# KiCad board g0dzilla_vs_middle.kicad_pcb
title: G0dzilla_VS; date: 2024-06-20; rev: 1; company: Crafted by @alt_bier a.k.a. Richard Gowen and his Badge Team; note: Middle PCB 2 of 3
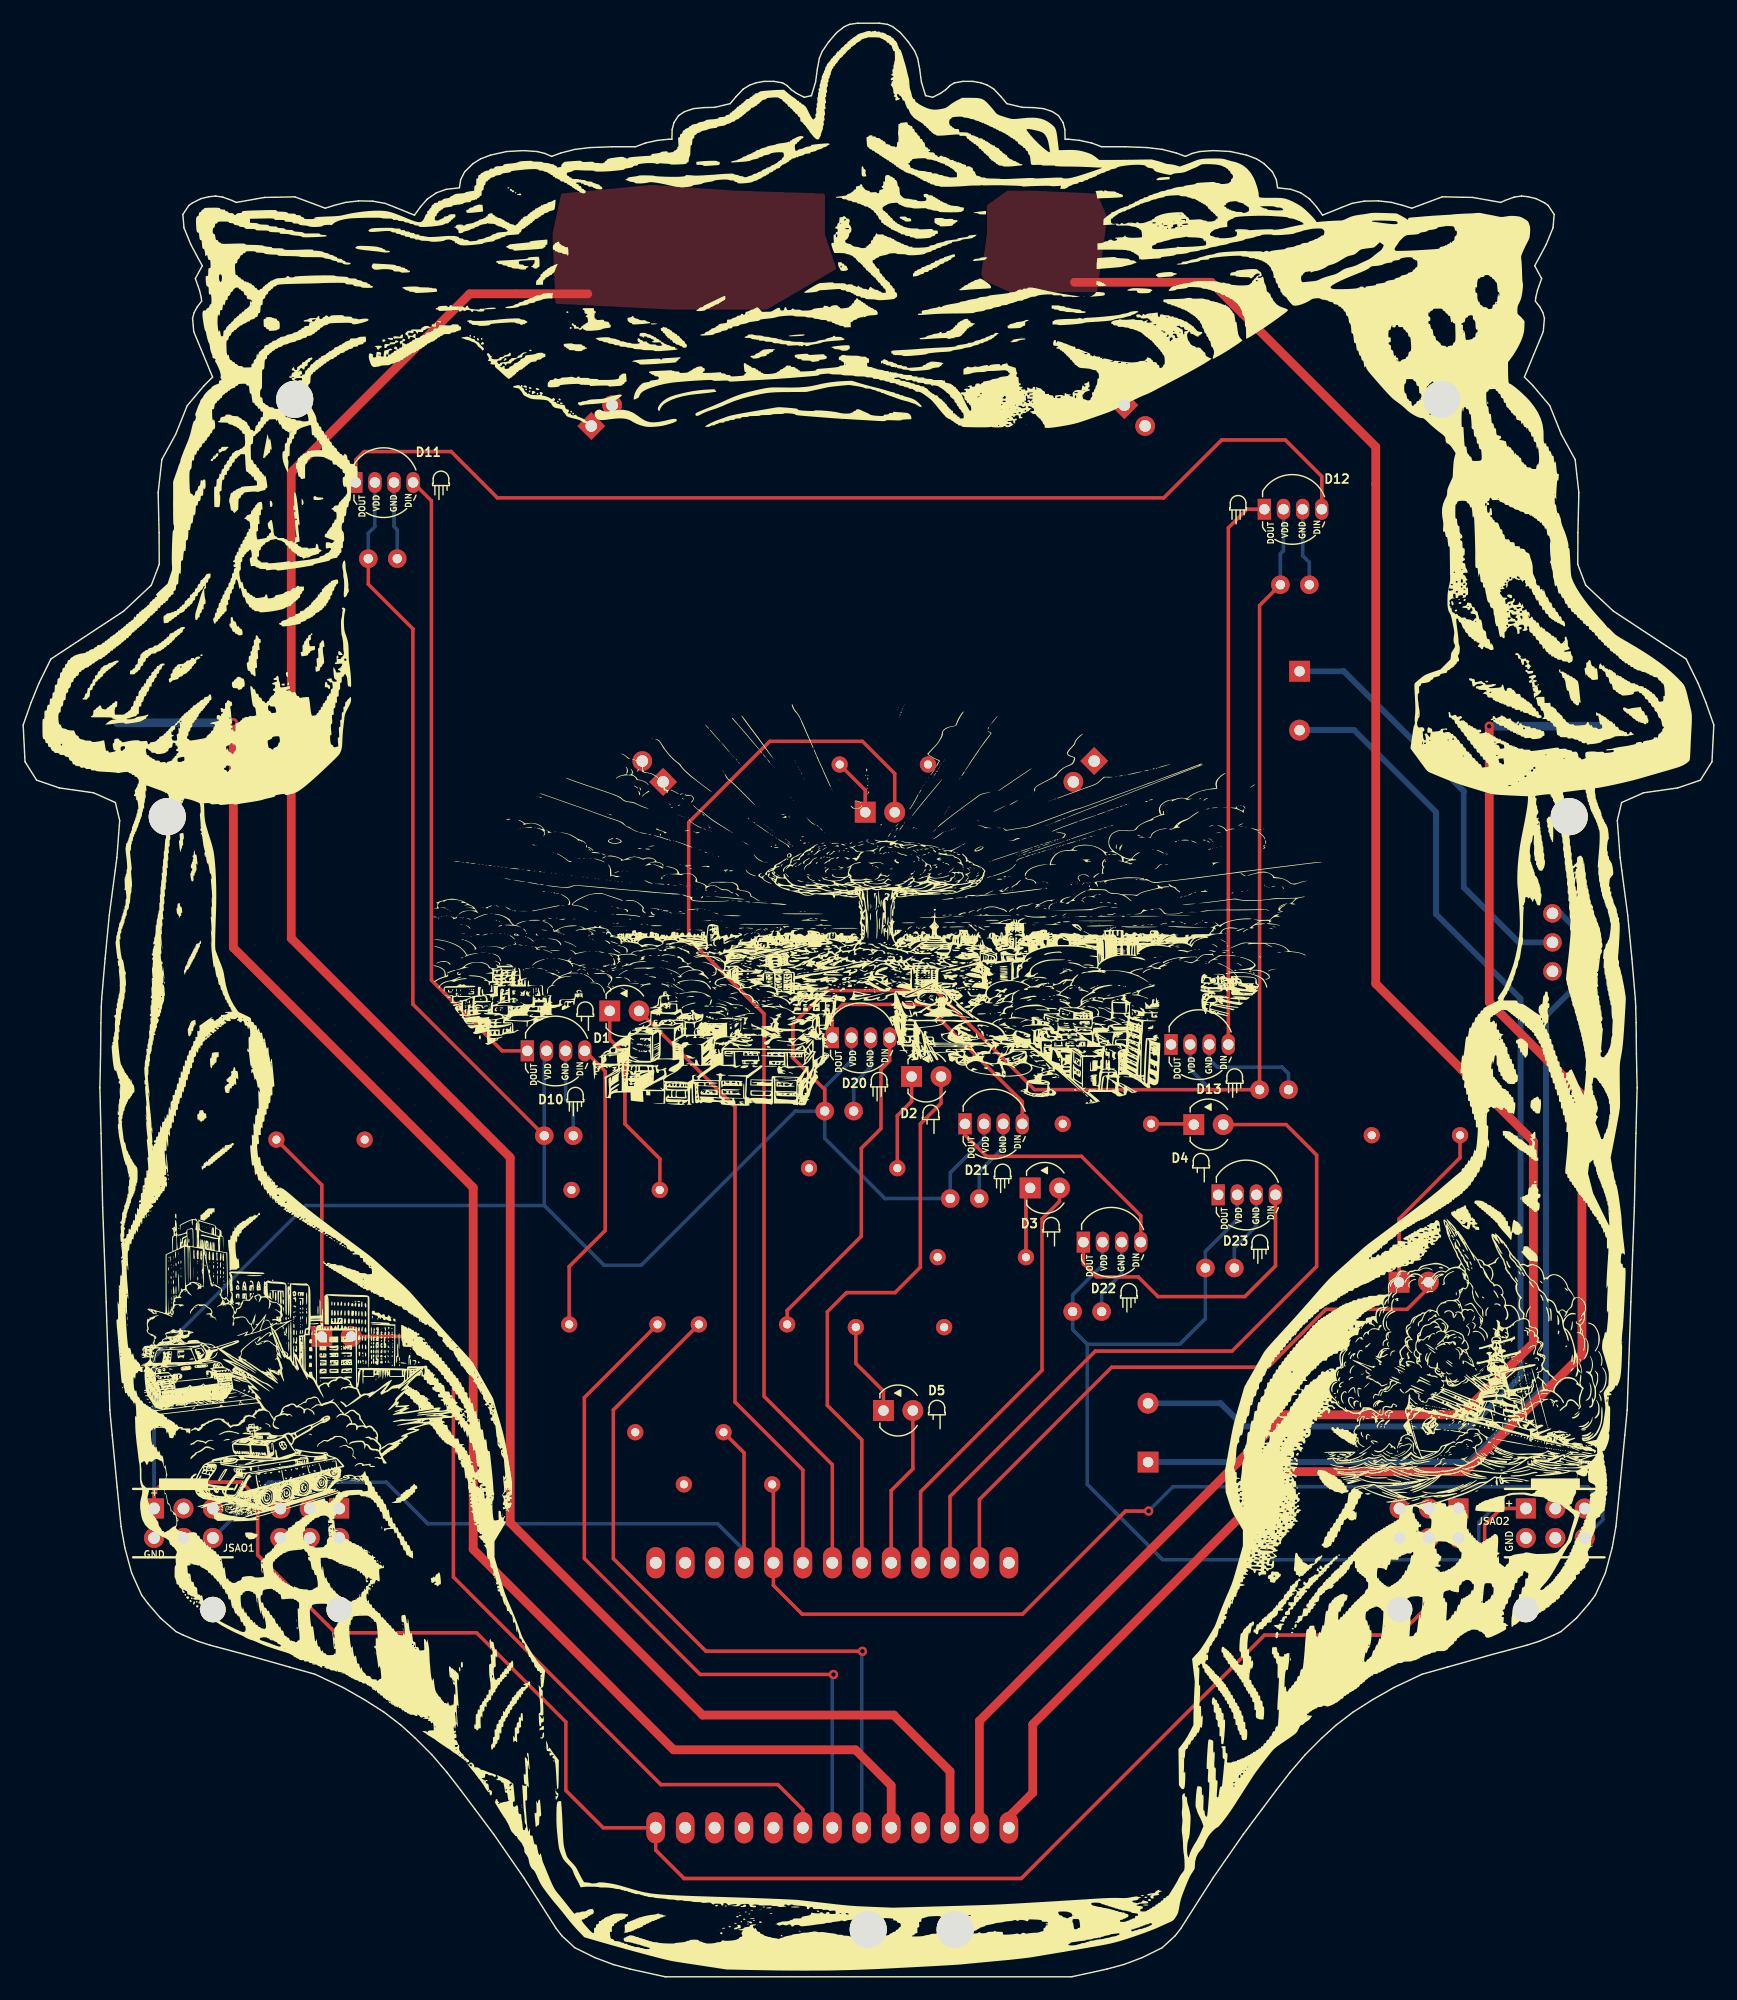
[diagram p0: board, top side]
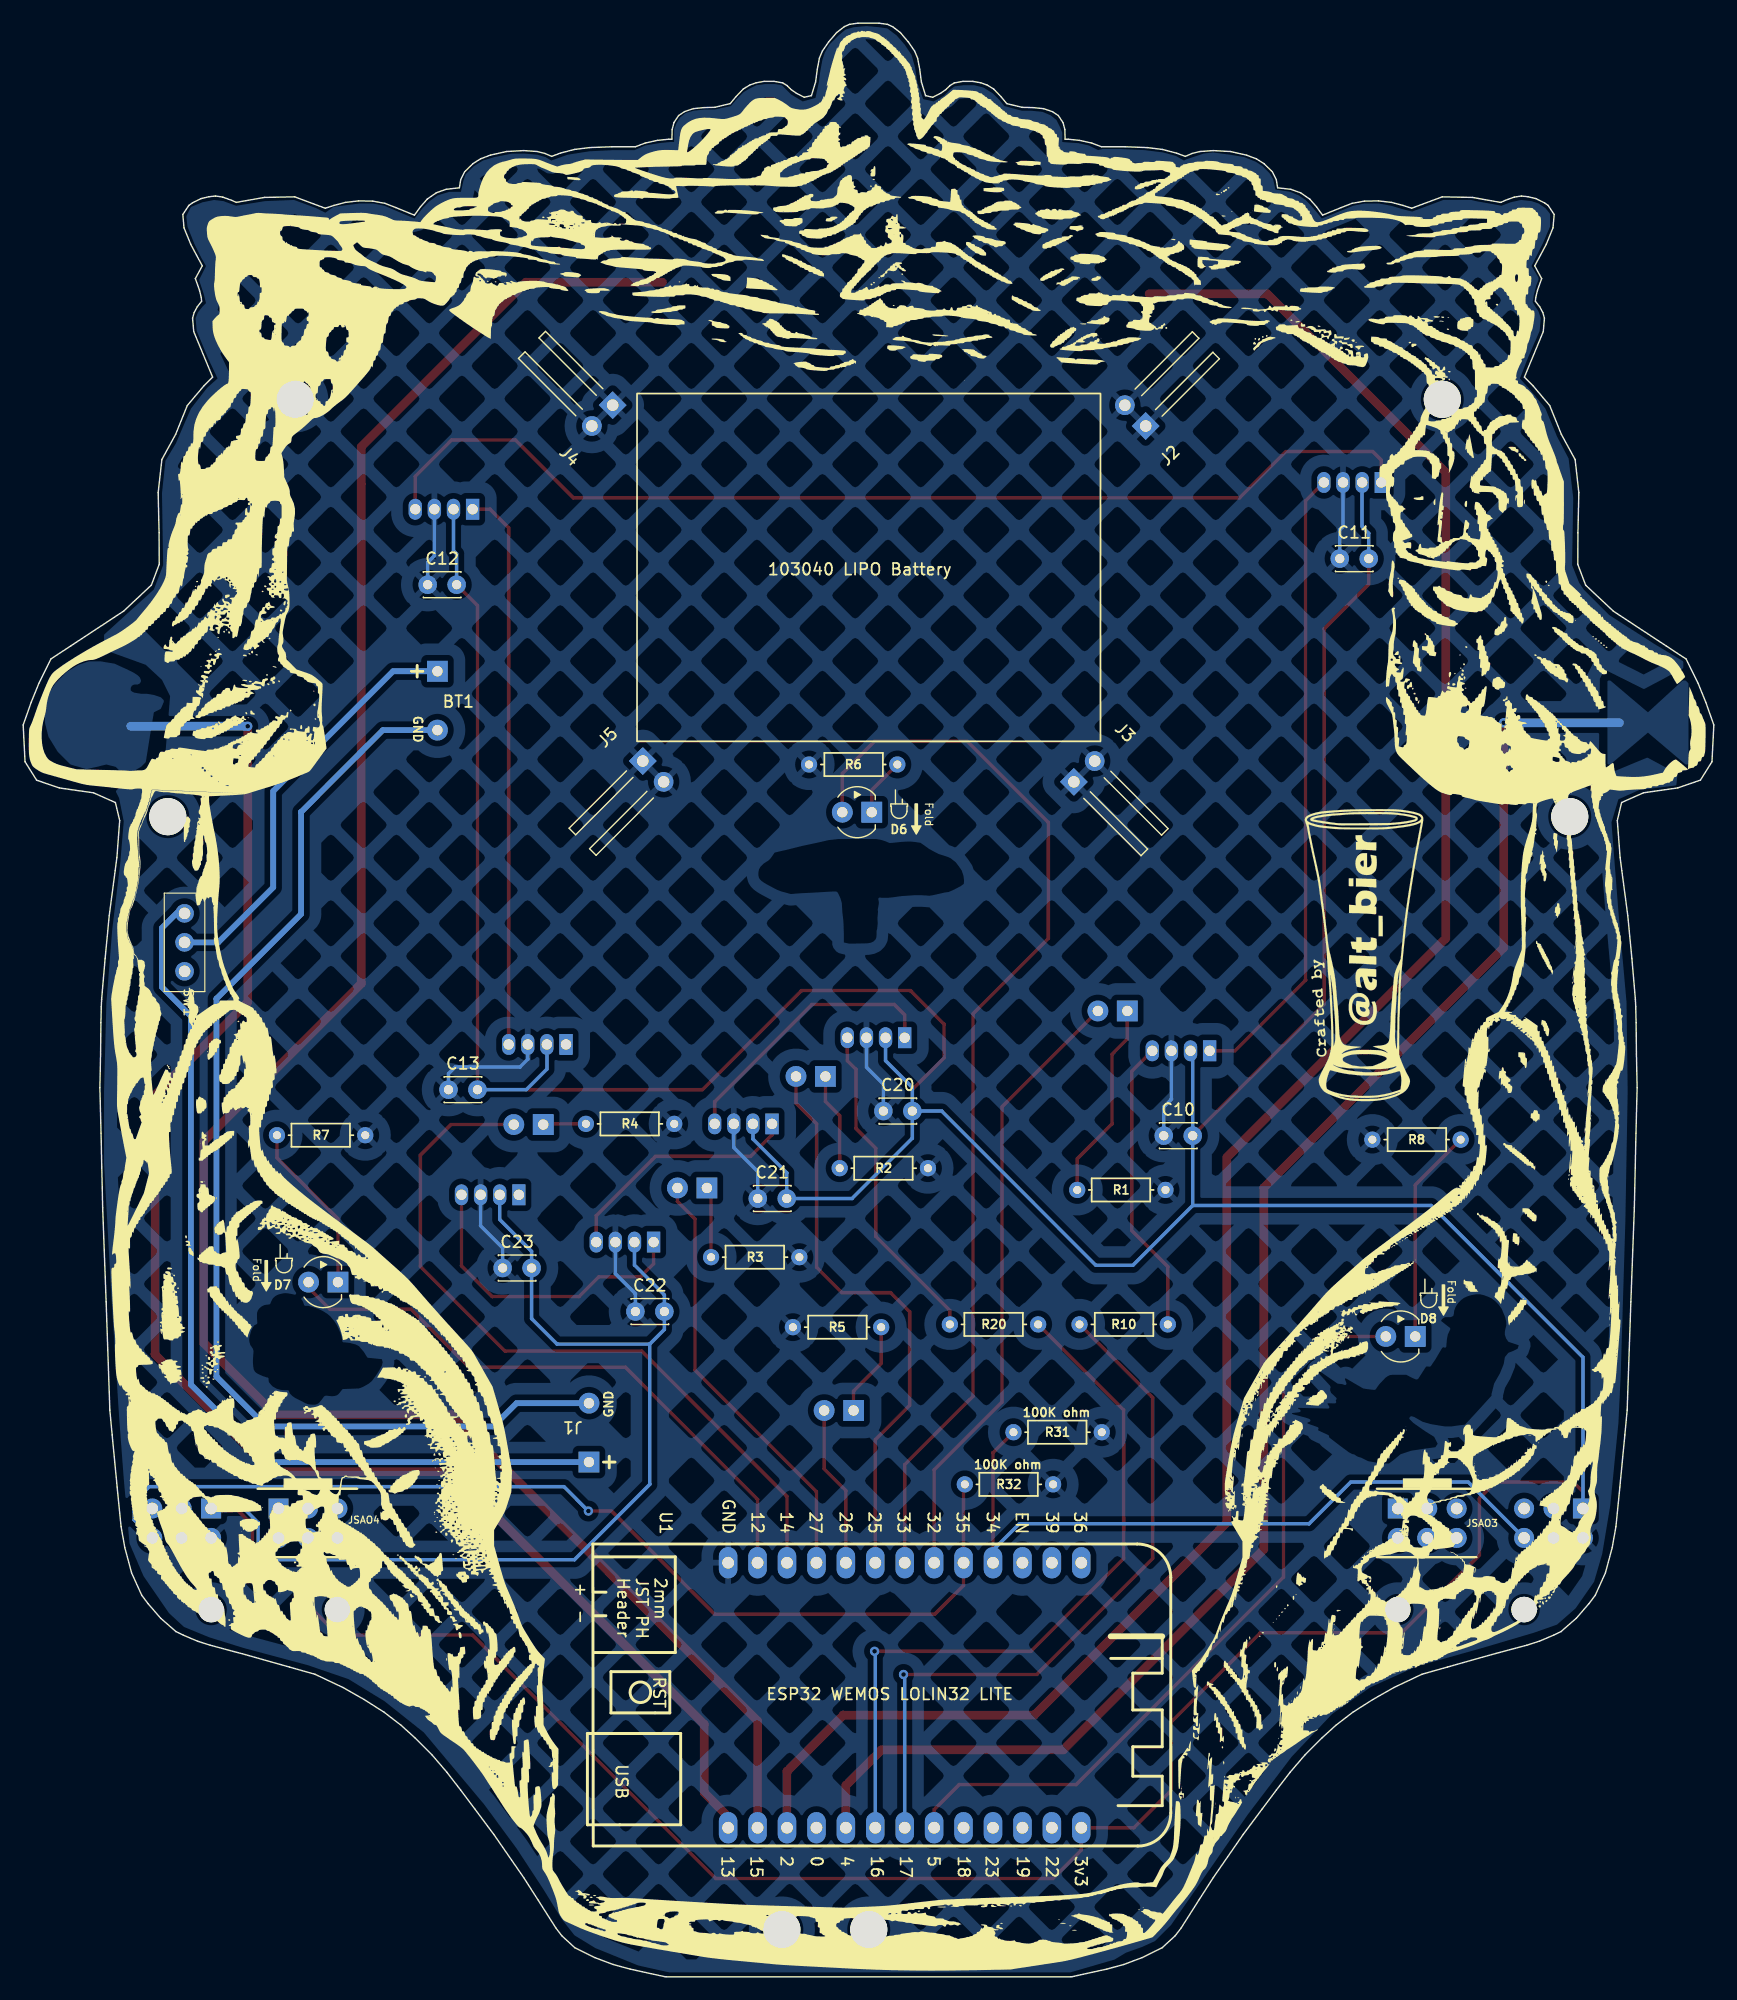
[diagram p1: board, bottom side, seen from below]

Outline 145.92 x 168.53 mm; copper layers: Top, Bottom. Coordinates in mm from the lower left corner of the outline.
Stack: Top 0.035mm / dielectric 1.51mm FR4 er 4.5 / Bottom 0.035mm

## Placement (name value [footprint] x y rotation side)
BT1  Battery_Lipo  [Battery_Connector_back]  110.16 112.63 0 top
C10  C_Disc_D3  [C_Disc_D3_back]  44.98 72.56 0 top
C11  C_Disc_D3  [C_Disc_D3_back]  29.79 122.34 0 top
C12  C_Disc_D3  [C_Disc_D3_back]  108.51 120.09 0 top
C13  C_Disc_D3  [C_Disc_D3_back]  106.71 76.53 0 top
C20  C_Disc_D3  [C_Disc_D3_back]  69.18 74.69 0 top
C21  C_Disc_D3  [C_Disc_D3_back]  80.01 67.14 0 top
C22  C_Disc_D3  [C_Disc_D3_back]  90.58 57.39 0 top
C23  C_Disc_D3  [C_Disc_D3_back]  102.03 61.15 0 top
D1  LED_3mm  [LED_D3.0mm-2-std_front]  50.62 83.32 0 top
D2  LED_3mm  [LED_D3.0mm-2-std_front]  76.68 77.67 0 top
D3  LED_3mm  [LED_D3.0mm-2-std_front]  86.91 68.05 0 top
D4  LED_3mm  [LED_D3.0mm-2-std_front]  101.03 73.52 0 top
D5  LED_3mm  [LED_D3.0mm-2-std_front]  74.25 48.85 0 top
D6  LED_3mm  [LED_D3.0mm-2-std_back]  72.68 100.47 0 top
D7  LED_3mm  [LED_D3.0mm-2-std_back]  118.75 59.93 0 top
D8  LED_3mm  [LED_D3.0mm-2-std_back]  25.77 55.24 0 top
D10  LED_WS2812D_5mm  [LED_D5.0mm-4_WS2812D_2024_front]  44.02 79.88 0 top
D11  LED_WS2812D_5mm  [LED_D5.0mm-4_WS2812D_2024_front]  29.21 128.91 0 top
D12  LED_WS2812D_5mm  [LED_D5.0mm-4_WS2812D_2024_front]  107.63 126.6 0 top
D13  LED_WS2812D_5mm  [LED_D5.0mm-4_WS2812D_2024_front]  99.57 80.43 0 top
D20  LED_WS2812D_5mm  [LED_D5.0mm-4_WS2812D_2024_front]  70.34 81.01 0 top
D21  LED_WS2812D_5mm  [LED_D5.0mm-4_WS2812D_2024_front]  81.79 73.58 0 top
D22  LED_WS2812D_5mm  [LED_D5.0mm-4_WS2812D_2024_front]  92.01 63.38 0 top
D23  LED_WS2812D_5mm  [LED_D5.0mm-4_WS2812D_2024_front]  103.64 67.46 0 top
edgecuts_02_mid  Edge Cuts  [g0dzilla_vs_edgecuts_02]  70.44 85.08 0 top
Fold  LED_Fold_Indicator_1  [LED_Fold_Indicator_back]  124.94 60.38 90 top
Fold#2  LED_Fold_Indicator_1  [LED_Fold_Indicator_back]  68.84 99.78 90 top
Fold#3  LED_Fold_Indicator_1  [LED_Fold_Indicator_back]  23.34 58.28 90 top
G***  LOGO  [logo-alt_bier-900dpi-10x25mm-back]  30.14 88.08 0 top
J1  Battery_Conn  [Battery_Connector_back]  97.08 44.4 180 top
J2  01x02  [Conn_Pin_Header_Male_Horiz_Back_1x02_Pitch2.54mm]  49.04 133.78 135 top
J3  01x02  [Conn_Pin_Header_Male_Horiz_Back_1x02_Pitch2.54mm]  55.23 103.08 225 top
J4  01x02  [Conn_Pin_Header_Male_Horiz_Back_1x02_Pitch2.54mm]  95.04 135.58 45 top
J5  01x02  [Conn_Pin_Header_Male_Horiz_Back_1x02_Pitch2.54mm]  92.44 104.88 315 top
JSAO1  Conn_02x03_SAO  [SAOv169-BADGEv3-PO-minF-2x3]  13.79 39.14 0 top
JSAO2  Conn_02x03_SAO  [SAOv169-BADGEv3-PO-minF-2x3]  132.19 39.14 0 top
JSAO3  Conn_02x03_SAO  [SAOv169-BADGEv3-PO-minB-2x3]  24.79 39.15 0 top
JSAO4  Conn_02x03_SAO  [SAOv169-BADGEv3-PO-minB-2x3]  121.39 39.15 0 top
mask_back_middle  Back Mask  [g0dzilla_vs_middle_mask_b]  70.44 85.08 0 top
mask_front_middle  Front Mask  [g0dzilla_vs_middle_mask_f]  70.44 85.08 0 top
Mount01  -  [MountingHole_3.2mm_M3]  12.44 100.08 0 top
Mount02  -  [MountingHole_3.2mm_M3]  133.44 100.08 0 top
Mount03  -  [MountingHole_3.2mm_M3]  72.94 4.08 0 top
Mount04  -  [MountingHole_3.2mm_M3]  23.44 136.08 0 top
Mount05  -  [MountingHole_3.2mm_M3]  122.44 136.08 0 top
Mount06  -  [MountingHole_3.2mm_M3]  80.44 4.08 0 top
R1  47R_6.3mm  [R_Axial_DIN0207_L6.3_D2.5_P7.62_Horiz_back]  54.95 67.88 180 top
R2  47R_6.3mm  [R_Axial_DIN0207_L6.3_D2.5_P7.62_Horiz_back]  75.45 69.76 180 top
R3  47R_6.3mm  [R_Axial_DIN0207_L6.3_D2.5_P7.62_Horiz_back]  86.55 62.08 180 top
R4  47R_6.3mm  [R_Axial_DIN0207_L6.3_D2.5_P7.62_Horiz_back]  97.35 73.58 180 top
R5  47R_6.3mm  [R_Axial_DIN0207_L6.3_D2.5_P7.62_Horiz_back]  71.86 56.04 0 top
R6  47R_6.3mm  [R_Axial_DIN0207_L6.3_D2.5_P7.62_Horiz_back]  70.47 104.58 0 top
R7  47R_6.3mm  [R_Axial_DIN0207_L6.3_D2.5_P7.62_Horiz_back]  124.01 72.6 180 top
R8  47R_6.3mm  [R_Axial_DIN0207_L6.3_D2.5_P7.62_Horiz_back]  21.85 72.22 0 top
R10  47R_6.3mm  [R_Axial_DIN0207_L6.3_D2.5_P7.62_Horiz_back]  47.13 56.28 0 top
R20  47R_6.3mm  [R_Axial_DIN0207_L6.3_D2.5_P7.62_Horiz_back]  65.94 56.28 180 top
R31  100K_6.3mm  [R_Axial_DIN0207_L6.3_D2.5_P7.62_Horiz_back]  60.45 46.98 180 top
R32  100K_6.3mm  [R_Axial_DIN0207_L6.3_D2.5_P7.62_Horiz_back]  64.65 42.48 180 top
REF**  -  [LED_4Pin_Indicator]  104.54 77.28 0 top
REF**#2  LED_2Pin_Indicator  [LED_2Pin_Indicator_Right]  78.84 48.68 0 top
REF**#3  -  [LED_4Pin_Indicator]  104.83 126.74 0 top
REF**#4  LED_2Pin_Indicator  [LED_2Pin_Indicator_Right]  48.49 83.05 0 top
REF**#5  -  [LED_4Pin_Indicator]  95.41 58.76 0 top
REF**#6  -  [LED_2Pin_Indicator_back]  70.34 100.98 180 top
REF**#7  -  [LED_2Pin_Indicator_back]  123.44 61.78 180 top
REF**#8  -  [Battery_LIPO_103040_silk_back]  72.94 121.58 270 top
REF**#9  -  [LED_4Pin_Indicator]  73.85 76.97 0 top
REF**#10  LED_2Pin_Indicator  [LED_2Pin_Indicator_Right]  88.71 64.46 0 top
REF**#11  -  [LED_4Pin_Indicator]  36.04 128.84 0 top
REF**#12  LED_2Pin_Indicator  [LED_2Pin_Indicator_Right]  78.31 74.16 0 top
REF**#13  -  [LED_2Pin_Indicator_back]  24.64 58.78 180 top
REF**#14  -  [LED_4Pin_Indicator]  47.64 75.68 0 top
REF**#15  -  [LED_4Pin_Indicator]  106.71 62.96 0 top
REF**#16  -  [LED_4Pin_Indicator]  84.51 69.06 0 top
REF**#17  LED_2Pin_Indicator  [LED_2Pin_Indicator_Right]  101.64 69.98 0 top
reference  Reference  [g0dzilla_vs_middle_reference]  70.44 85.08 0 top
sao_reference  Reference SAO  [g0dzilla_vs_sao_reference]  72.59 85.13 0 top
saoclip1  -  [MountingHole_2.2mm_M2]  16.38 31.68 0 top
saoclip2  -  [MountingHole_2.2mm_M2]  129.7 31.68 0 top
saoclip3  -  [MountingHole_2.2mm_M2]  27.28 31.68 0 top
saoclip4  -  [MountingHole_2.2mm_M2]  118.8 31.68 0 top
silk_back_middle  Back Silk  [g0dzilla_vs_middle_silk_b]  70.44 85.08 0 top
silk_front_center_middle  Front Silk  [g0dzilla_vs_middle_centermod_silk_f]  70.44 85.08 0 top
silk_front_middle  Front Silk  [g0dzilla_vs_middle_silk_f]  70.44 85.08 0 top
SW1  SW_SPDT_SS12D00G  [SW_SPDT_Slide_SS12D00G-1P2T_3pin_back]  131.99 89.24 270 top
U1  ESP32-WEMOS-LOLIN32-LITE  [ESP32_WEMOS_LOLIN32_LITE_back]  71.12 24.14 90 top

## Library data of the parts
BT1 = -: Description: Multiple-cell battery
C10-C13 C20-C23 = -: Description: Unpolarized capacitor
D1-D8 = -: Description: Light emitting diode; Color: White
D10-D13 D20-D23 = -: Description: RGB LED with integrated controller, 5mm LED package
J1 = -: Description: Baterry Connector 01x02
J2-J5 = -: Description: Generic connector, single row, 01x02, script generated (kicad-library-utils/schlib/autogen/connector/)
JSAO1 JSAO2 = -: Description: Generic connector, double row, 02x03, odd/even pin numbering scheme (row 1 odd numbers, row 2 even numbers), script generated (kicad-library-utils/schlib/autogen/connector/)
JSAO3 JSAO4 = -: Description: Generic connector, double row, 02x03, odd/even pin numbering scheme (row 1 odd numbers, row 2 even numbers), script generated (kicad-library-utils/schlib/autogen/connector/); Field4: +; Field5: GND
R1-R8 R10 R20 R31 R32 = -: Description: Resistor
SW1 = -: Description: Switch, single pole double throw
U1 = -: Description: RF Module, ESP32-D0WDQ6 SoC, Wi-Fi 802.11b/g/n, Bluetooth, BLE, 32-bit, 2.7-3.6V, onboard antenna, Wemos, Lolin, Lolin32

## Footprints (pads in the part's own frame, mm; a bottom-side part is the same pattern mirrored in y, then rotated)
Battery_Connector_back
  rect 1.8x1.8 hole 0.9: 1(0,0)
  round 1.8 hole 0.9: 2(0,-5.08)
C_Disc_D3_back
  round 1.6 hole 0.8: 1(0,0) 2(2.5,0)
Conn_Pin_Header_Male_Horiz_Back_1x02_Pitch2.54mm
  rect 1.7x1.7 hole 1: 1(0,0)
  oval 1.7x1.7 hole 1: 2(0,-2.54)
ESP32_WEMOS_LOLIN32_LITE_back
  oval 2.7x1.6 hole 1.02: 0(-11.274,-6.336) 2(-11.274,-8.876) 3V3(-11.274,16.524) 4(-11.274,-3.796) 5(-11.274,3.824) 12(11.586,-11.416) 13(-11.274,-13.956) 14(11.586,-8.876) 15(-11.274,-11.416) 16(-11.274,-1.256) 17(-11.274,1.284) 18(-11.274,6.364) 19(-11.274,11.444) 22(-11.274,13.984) 23(-11.274,8.904) 25(11.586,-1.256) 26(11.586,-3.796) 27(11.586,-6.336) 32(11.586,3.824) 33(11.586,1.284) 34(11.586,8.904) 35(11.586,6.364) 36(11.586,16.524) 39(11.586,13.984) EN(11.586,11.444) GND(11.586,-13.956)
LED_D3.0mm-2-std_back
  rect 1.8x1.8 hole 0.9: 1(0,0)
  round 1.8 hole 0.9: 2(2.54,0)
LED_D3.0mm-2-std_front
  rect 1.8x1.8 hole 0.9: 1(0,0)
  round 1.8 hole 0.9: 2(2.54,0)
LED_D5.0mm-4_WS2812D_2024_front
  rect 1.15x1.8 hole 0.9: 1(-0.5,0)
  oval 1.15x1.8 hole 0.9: 2(1.15,0) 3(2.8,0) 4(4.45,0)
MountingHole_2.2mm_M2
  round 2.2 hole 2.2 unplated: (0,0)
MountingHole_3.2mm_M3
  round 3.2 hole 3.2 unplated: (0,0)
R_Axial_DIN0207_L6.3_D2.5_P7.62_Horiz_back
  round 1.4 hole 0.7: 1(0,0) 2(7.62,0)
SAOv169-BADGEv3-PO-minB-2x3
  rect 1.727x1.727 hole 1.016: 1(2.49,1.25)
  round 1.727 hole 1.016: 2(2.49,-1.29) 5(-2.59,1.25) 6(-2.59,-1.29)
  oval 1.727x1.727 hole 1.016: 3(-0.05,1.25) 4(-0.05,-1.29)
SAOv169-BADGEv3-PO-minF-2x3
  rect 1.727x1.727 hole 1.016: 1(-2.49,1.26)
  round 1.727 hole 1.016: 2(-2.49,-1.28) 5(2.59,1.26) 6(2.59,-1.28)
  oval 1.727x1.727 hole 1.016: 3(0.05,1.26) 4(0.05,-1.28)
SW_SPDT_Slide_SS12D00G-1P2T_3pin_back
  round 1.6 hole 1: 1(-2.5,0) 2(0,0) 3(2.5,0)

## Nets
+3.3V: C10.1 C11.1 C12.1 C13.1 C20.1 C21.1 C22.1 C23.1 D10.2 D11.2 D12.2 D13.2 D20.2 D21.2 D22.2 D23.2 JSAO1.1 JSAO2.1 U1.3V3
GND: C10.2 C11.2 C12.2 C13.2 C20.2 C21.2 C22.2 C23.2 D10.3 D11.3 D12.3 D13.3 D20.3 D21.3 D22.3 D23.3 J2.1 J2.2 J3.1 J3.2 J4.1 J4.2 J5.1 J5.2 JSAO1.2 JSAO2.2 R1.2 R2.2 R3.2 R4.2 R5.2 R6.2 R7.2 R8.2 R31.2 R32.2 U1.GND
VBAT: J1.1 SW1.1
2: U1.2
4: U1.4
5: D8.2 U1.5
12: D7.2 U1.12
13: U1.13
14: D4.2 U1.14
15: U1.15
16: R20.2 U1.16
17: R10.2 U1.17
25: D2.2 U1.25
26: D5.2 U1.26
27: D3.2 U1.27
32: D1.2 U1.32
33: D6.2 U1.33
34: JSAO1.6 R31.1 U1.34
35: JSAO2.6 R32.1 U1.35
D10: D10.1 D11.4
D11: D11.1 D12.4
D12: D12.1 D13.4
D20: D20.1 D21.4
D21: D21.1 D22.4
D22: D22.1 D23.4
GBAT: BT1.2 J1.2
Net-(BT1-Pin_1): BT1.1 SW1.2
Net-(D1-K): D1.1 R1.1
Net-(D2-K): D2.1 R2.1
Net-(D3-K): D3.1 R3.1
Net-(D4-K): D4.1 R4.1
Net-(D5-K): D5.1 R5.1
Net-(D6-K): D6.1 R6.1
Net-(D7-K): D7.1 R7.1
Net-(D8-K): D8.1 R8.1
Net-(D10-DIN): D10.4 R10.1
Net-(D20-DIN): D20.4 R20.1

Pads without a net: D13 1; D23 1; JSAO1 3 4 5; JSAO2 3 4 5; JSAO3 1 2 3 4 5 6; JSAO4 1 2 3 4 5 6; SW1 3; U1 0 18 19 22 23 36 39 EN

## Via types
v1: diameter 0.8, hole 0.4, Top to Bottom, 5 vias

## Routing (per net, layer and track width the routed paths; a pad name or vN(x,y) marks a point on that pad's centre or on a via; arc(x,y) is an arc through that point)
+3.3V: length 549.3
  Top w0.3: C10.1 33.64,83.9 33.64,116.28 29.79,120.13 C11.1 ; JSAO2.1 127.56,40.4 126.14,38.98 126.14,36.88 118.74,29.48 107.14,29.48 86.14,8.48 57.04,8.48 54.59,10.92 U1.3V3 50.05,12.86 46.84,16.08 46.84,21.98 39.14,29.68 26.94,29.68 20.24,36.38 20.24,41.28 18.84,42.68 12.14,42.68 11.3,41.84 JSAO1.1 ; C12.1 106.71,118.29 C13.1 87.29,76.53 78.74,85.08 69.34,85.08 66.44,82.18 66.44,79.28 69.18,76.54 C20.1
  Bottom w0.3: 44.98,66.54 50.14,61.38 53.34,61.38 66.64,74.69 C20.1 ; 44.98,66.54 24.4,66.54 11.3,53.44 JSAO1.1 ; 44.98,66.54 C10.1 44.98,79.69 D10.2 ; 91.84,54.58 91.84,42.48 98.34,35.98 124.64,35.98 125.64,36.98 125.64,39.18 126.86,40.4 JSAO2.1 ; 91.84,54.58 90.58,55.84 C22.1 90.58,58.82 93.16,61.4 D22.2 ; 91.84,54.58 99.84,54.58 102.03,56.78 C23.1 102.03,62.58 104.79,65.33 D23.2 ; C13.1 102.49,76.53 100.72,78.3 D13.2 ; D21.2 82.94,72.28 80.01,69.36 C21.1 74.37,67.14 69.18,72.34 C20.1 ; C20.1 69.18,76.72 71.49,79.03 D20.2 ; C12.1 108.51,122.75 108.78,123.02 D12.2 ; C11.1 29.79,124.53 30.36,125.1 D11.2
GND: length 59.1
  Bottom w0.3: D23.3 106.44,64.78 104.53,62.88 C23.2 ; C20.2 71.68,77.02 73.14,78.48 D20.3 ; C21.2 82.51,69.46 84.59,71.53 D21.3 ; D12.3 110.43,122.59 111.01,122.01 C12.2 ; D13.3 102.37,79.15 103.04,78.48 108.64,78.48 109.21,77.91 C13.2 ; C11.2 32.29,124.83 32.01,125.11 D11.3 ; C10.2 47.48,75.04 46.82,75.7 D10.3 ; D22.3 94.81,60.65 93.08,58.92 C22.2
VBAT: length 80
  Bottom w0.5: SW1.1 132.68,91.74 133.94,90.48 133.94,85.38 131.44,82.88 131.44,51.08 124.76,44.4 J1.1
2: length 182.1
  Top w0.75: 48.74,145.18 38.54,145.18 23.14,129.78 23.14,89.58 42.04,70.68 42.04,39.18 58.64,22.58 75.14,22.58 79.99,17.72 U1.2
4: length 138
  Top w0.75: U1.4 74.91,16.5 71.84,19.58 56.14,19.58 38.84,36.88 38.84,68.08 18.14,88.78 v1(18.14,108.18)
  Bottom w0.75: v1(18.14,108.18) 8.14,108.18
5: length 67.6
  Top w0.3: U1.5 67.29,14.42 65.14,16.58 55.04,16.58 37.14,34.48 37.14,51.78 33.68,55.24 D8.2
12: length 52.3
  Top w0.3: U1.12 82.53,41.18 93.94,52.58 107.44,52.58 112.44,57.58 119.44,57.58 121.29,59.43 D7.2
13: length 138
  Top w0.75: v1(126.54,107.88) 126.54,84.08 134.54,76.08 134.54,53.68 124.44,43.58 108.94,43.58 87.14,21.78 87.14,15.88 85.07,13.82 U1.13
  Bottom w0.75: v1(126.54,107.88) 136.64,107.88
14: length 64.3
  Top w0.3: D4.2 109,73.52 111.64,70.88 111.64,61.28 104.34,53.98 92.54,53.98 79.99,41.44 U1.14
15: length 185.3
  Top w0.75: 90.74,146.18 102.54,146.18 116.74,131.98 116.74,85.68 130.34,72.08 130.34,54.68 124.14,48.48 108.94,48.48 82.53,22.08 U1.15
16: length 63.3
  Top w0.3: R20.2 50.94,48.9 50.94,36.08 58.94,28.08 v1(72.44,28.08)
  Bottom w0.3: U1.16 72.37,28.02 v1(72.44,28.08)
17: length 61.7
  Top w0.3: R10.2 48.44,49.97 48.44,36.08 58.44,26.08 v1(69.94,26.08)
  Bottom w0.3: v1(69.94,26.08) 69.83,25.98 U1.17
25: length 49.7
  Top w0.3: U1.25 72.37,46.32 69.41,49.29 69.41,57.37 71.06,59.02 75.25,59.02 77.44,61.21 77.44,73.58 79.22,75.36 D2.2
26: length 13.9
  Top w0.3: D5.2 76.79,43.82 74.91,41.95 U1.26
27: length 37.3
  Top w0.3: D3.2 89.45,66.89 87.94,65.38 87.94,52.33 77.45,41.85 U1.27
32: length 53.5
  Top w0.3: U1.32 67.29,43.72 61.44,49.58 61.44,75.05 53.16,83.32
33: length 94.2
  Top w0.3: U1.33 69.83,44.18 63.94,50.08 63.94,83.08 57.44,89.58 57.44,99.58 64.44,106.58 72.44,106.58 75.22,103.8 D6.2
34: length 63.3
  Top w0.3: U1.34 62.21,45.21 R31.1
  Bottom w0.3: JSAO1.6 21.2,42.68 31.34,42.68 34.94,39.08 59.94,39.08 62.21,36.8 U1.34
35: length 90.2
  Top w0.3: R32.1 64.75,42.37 U1.35 64.75,33.76 67.24,31.28 86.24,31.28 95.14,40.18 v1(97.14,40.18)
  Bottom w0.3: v1(97.14,40.18) 99.24,42.28 135.04,42.28 136.34,40.98 136.34,39.42 JSAO2.6
D10: length 54.4
  Top w0.3: D11.4 35.24,127.33 35.24,85.98 41.34,79.88 D10.1
D11: length 93.5
  Top w0.3: D12.4 112.08,129.44 108.94,132.58 103.44,132.58 98.44,127.58 40.94,127.58 36.94,131.58 29.44,131.58 28.71,130.85 D11.1
D12: length 48.3
  Top w0.3: D13.4 104.02,125 105.62,126.6 D12.1
D20: length 24.1
  Top w0.3: D21.4 86.24,75.48 77.84,83.88 70.74,83.88 69.84,82.98 D20.1
D21: length 21.3
  Top w0.3: D22.4 96.46,65.66 91.34,70.78 83.14,70.78 81.29,72.63 D21.1
D22: length 26.8
  Top w0.3: D22.1 91.51,61.51 92.64,60.38 96.24,60.38 97.94,58.68 105.44,58.68 108.09,61.33 D23.4
GBAT: length 101.2
  Bottom w0.5: J1.2 103.33,49.48 105.34,47.48 124.94,47.48 129.24,51.78 129.24,84.38 121.94,91.68 121.94,100.48 114.87,107.55 BT1.2
Net-(BT1-Pin_1): length 36.4
  Bottom w0.5: SW1.2 129.08,89.24 124.34,93.98 124.34,102.28 113.99,112.63 BT1.1
Net-(D1-K): length 17.2
  Top w0.3: D1.1 50.62,80.9 51.94,79.58 51.94,73.58 54.95,70.57 R1.1
Net-(D2-K): length 8.4
  Top w0.3: R2.1 75.45,74.29 76.68,75.52 D2.1
Net-(D3-K): length 6.2
  Top w0.3: R3.1 86.55,67.69 D3.1 86.95,68.01
Net-(D4-K): length 3.7
  Top w0.3: D4.1 100.97,73.58 R4.1
Net-(D5-K): length 8.2
  Top w0.3: D5.1 74.25,50.53 71.86,52.91 R5.1
Net-(D6-K): length 5
  Top w0.3: D6.1 72.68,102.37 R6.1
Net-(D7-K): length 14.9
  Top w0.3: R7.1 124.01,70.66 118.75,65.39 D7.1
Net-(D8-K): length 18.6
  Top w0.3: D8.1 25.77,68.3 R8.1
Net-(D10-DIN): length 25.6
  Top w0.3: D10.4 50.24,78.11 50.24,64.38 47.13,61.27 R10.1
Net-(D20-DIN): length 28.4
  Top w0.3: R20.1 65.94,57.48 72.34,63.88 72.34,71.48 74.04,73.18 74.04,78.28 74.79,79.03 D20.4

## Copper pours and planes (outline as drawn; the poured copper is in the pictures)
GND on Bottom: 50.74,2.08 49.34,2.58 48.24,3.08 46.84,4.48 40.24,13.98 36.44,18.98 32.94,22.68 29.64,24.98 25.64,26.78 19.94,28.38 15.54,29.68 13.54,30.38 11.94,31.78 10.34,34.08 9.64,36.48 8.94,40.68 8.24,47.78 8.04,51.98 7.64,65.18 7.44,76.38 7.54,84.08 8.24,91.88 8.84,99.58 8.24,101.58 6.44,102.38 3.24,102.78 3.14,103.78 5.74,105.18 8.64,103.98 9.94,103.98 9.84,111.98 9.44,112.78 6.04,111.08 2.64,112.88 2.64,113.48 5.14,114.98 9.04,117.48 11.24,119.68 11.64,120.28 12.24,121.78 12.14,127.58 12.54,130.98 13.54,132.88 14.54,135.28 15.84,136.88 16.74,137.88 16.04,139.68 15.04,141.98 14.94,143.08 15.14,143.68 15.54,144.28 15.64,144.48 15.54,145.08 15.34,145.88 15.14,146.38 15.14,146.58 15.74,147.58 14.74,149.58 14.14,150.98 14.14,152.08 14.54,152.58 15.14,152.98 15.74,153.18 16.64,153.28 17.54,153.08 18.34,152.78 18.84,152.88 20.54,153.18 20.94,153.28 23.34,153.28 26.04,152.28 26.84,152.48 27.84,152.78 28.94,152.98 30.14,152.98 31.14,152.78 33.84,151.68 34.24,152.18 34.84,152.88 35.24,153.28 35.84,153.68 36.54,153.98 37.84,154.18 38.04,155.08 38.34,155.58 38.94,156.18 39.54,156.58 40.54,156.98 41.74,157.18 43.24,157.38 44.04,157.28 45.54,156.78 45.74,156.68 46.44,157.08 47.54,157.38 49.14,157.58 51.24,157.68 52.74,157.68 53.14,157.58 53.94,157.98 54.84,158.18 56.24,158.28 56.24,159.08 56.44,159.58 56.74,160.18 57.24,160.58 57.94,160.88 58.94,160.98 59.74,160.98 61.24,161.38 61.64,161.88 62.24,162.48 63.04,162.98 63.84,163.18 64.74,163.18 65.54,163.08 65.94,162.78 66.44,162.28 67.34,161.78 68.24,161.98 68.74,163.38 68.94,164.68 69.24,165.78 69.84,166.68 70.54,167.48 71.34,168.08 72.04,168.18 73.14,168.28 74.24,168.18 74.94,167.98 75.54,167.48 76.34,166.68 76.74,165.98 76.94,165.38 77.14,164.28 77.24,163.48 77.54,162.08 78.64,161.78 79.64,162.38 80.44,163.18 81.04,163.28 81.84,163.28 82.64,163.18 83.24,162.88 83.74,162.58 84.34,161.98 84.84,161.38 86.24,161.08 87.14,161.08 88.04,160.98 88.74,160.78 89.24,160.38 89.54,159.88 89.74,159.38 89.74,158.28 90.04,158.28 91.04,158.18 92.24,157.98 93.14,157.58 94.94,157.58 97.04,157.48 98.94,157.18 100.34,156.68 100.84,156.98 101.54,157.18 102.64,157.28 103.74,157.28 105.24,156.98 106.24,156.68 107.04,156.18 107.74,155.48 107.94,154.88 108.14,153.98 109.14,153.98 110.14,153.68 110.84,153.18 111.44,152.58 112.14,151.68 113.34,152.18 114.74,152.78 115.74,152.98 116.84,152.98 117.64,152.88 119.14,152.68 119.84,152.18 120.64,152.58 122.54,153.28 125.04,153.18 127.54,152.78 128.64,153.18 129.44,153.28 130.44,153.08 131.44,152.68 131.84,151.88 131.74,150.98 131.14,149.48 130.54,148.28 130.14,147.58 130.74,146.38 130.34,145.18 130.14,144.38 130.44,144.08 130.84,143.58 131.04,143.08 130.94,141.98 129.94,139.58 129.14,137.88 130.04,137.08 131.44,135.28 132.14,133.68 132.74,132.28 133.64,130.78 133.94,127.98 133.84,121.78 134.64,119.68 138.94,115.78 138.94,114.48 135.34,113.18 133.94,111.88 133.24,110.48 133.74,104.38 134.94,103.58 137.14,103.08 137.94,102.28 137.64,101.68 137.24,99.68 137.54,96.08 138.24,90.28 138.74,83.98 138.94,76.38 138.94,70.18 138.34,59.28 137.64,48.28 137.24,42.98 136.74,37.38 135.54,34.58 133.34,31.38 132.04,30.18 129.84,29.28 126.94,28.38 121.34,26.88 117.84,25.68 114.74,23.78 111.34,21.08 106.14,14.88 103.34,11.08 101.04,7.58 99.44,4.98 98.34,3.58 96.54,2.48 92.84,0.98 90.14,0.38 55.54,0.38 51.74,1.48
2 on Top: 45.94,144.33 45.69,150.33 46.44,153.83 54.19,154.58 61.44,154.08 69.19,153.83 69.19,150.33 70.19,147.33 64.19,143.83 55.94,143.83
4 on Bottom: 2.19,104.58 2.19,111.58 2.44,111.83 2.69,111.83 5.69,109.08 8.94,111.83 9.19,111.83 9.19,104.58 8.94,104.58 5.69,107.33 2.44,104.58
13 on Bottom: 133.74,110.08 134.04,109.38 134.64,109.08 134.94,107.28 135.34,104.78 135.74,104.38 136.44,103.98 137.44,103.88 137.94,104.38 138.74,104.58 139.54,104.38 140.44,104.18 141.84,104.58 142.94,105.68 143.74,106.98 144.04,108.18 144.04,109.18 143.74,110.68 143.14,111.58 142.14,112.58 141.14,113.18 140.24,113.48 139.24,113.48 138.04,113.28 136.94,112.78 136.34,112.48 136.04,112.28 135.84,112.08 135.74,111.78 135.84,111.58 136.04,111.48 136.34,111.48 136.54,111.38 136.64,111.18 136.64,110.98 136.54,110.88 136.34,110.78 135.74,110.68 135.24,110.68 134.64,110.58 134.04,110.38
15 on Top: 92.69,145.33 93.44,150.83 93.44,152.08 92.69,153.83 87.19,154.08 84.94,154.08 83.19,152.83 83.19,150.33 82.69,146.83 82.94,146.33 85.19,145.33
